# KiCad board SuS.kicad_pcb
title: sus; company: stonedDiscord
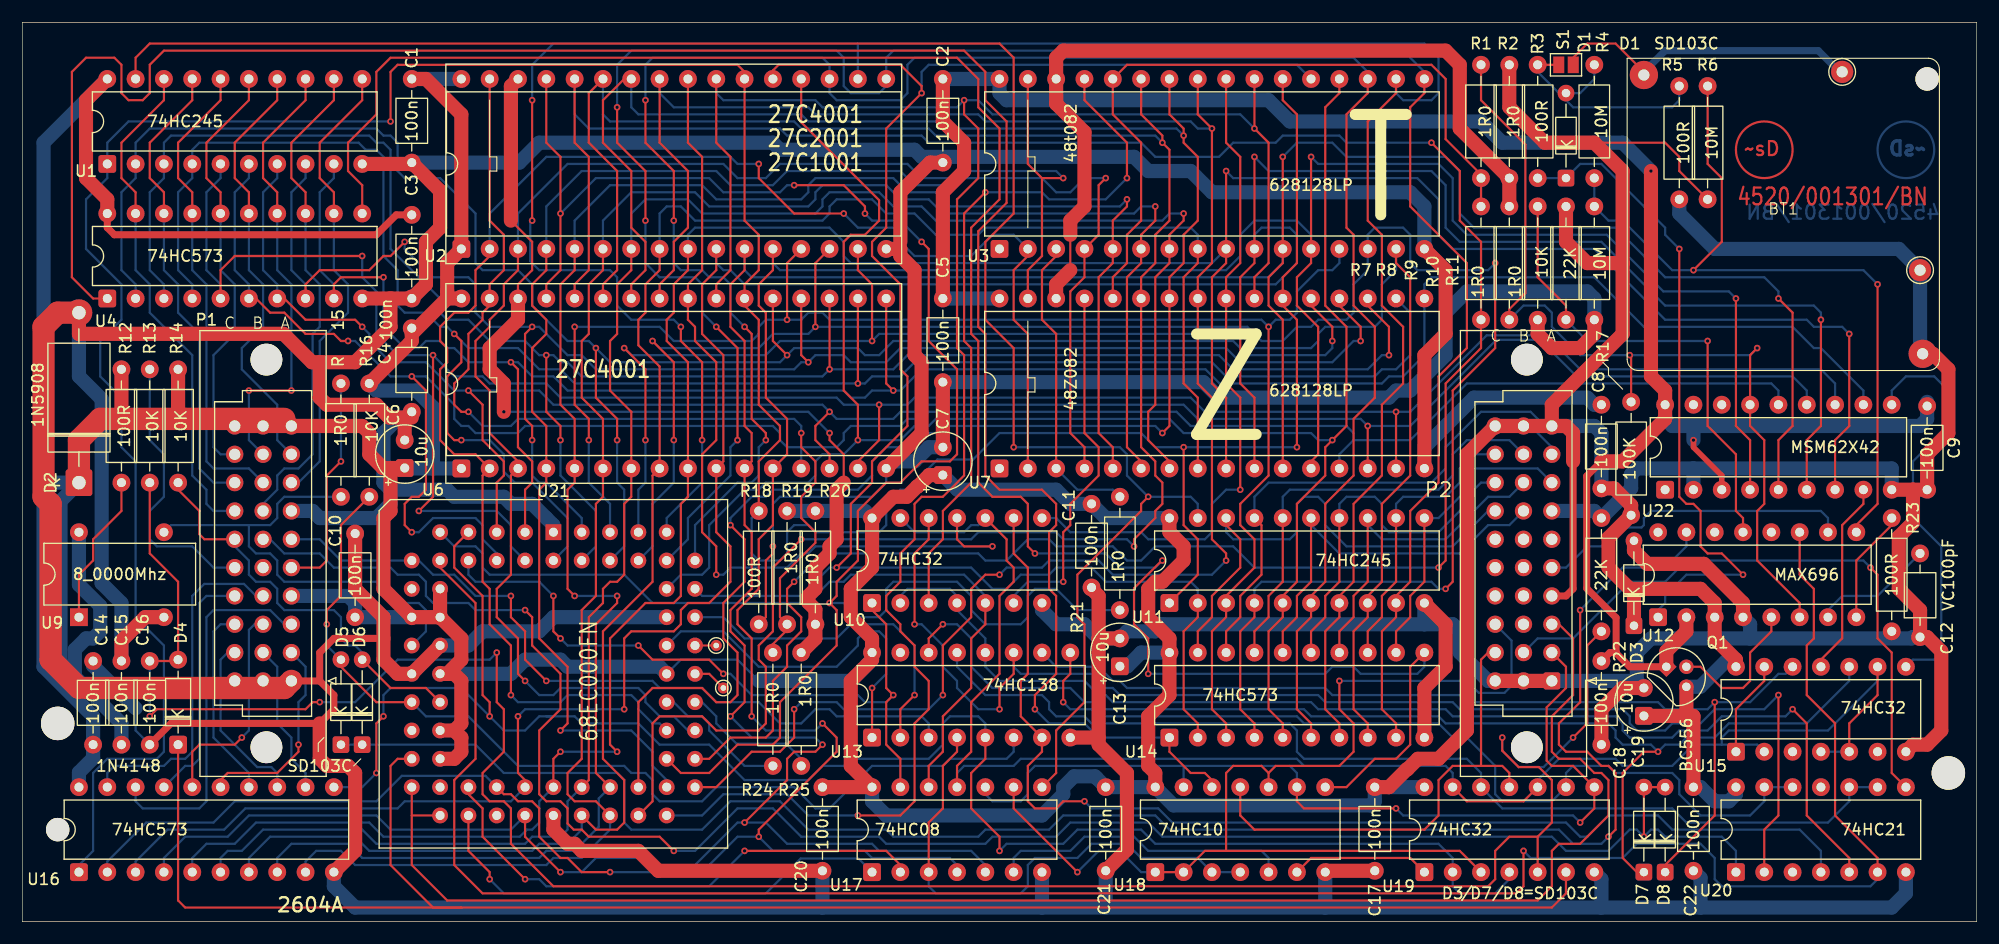
[diagram p0: board, top side]
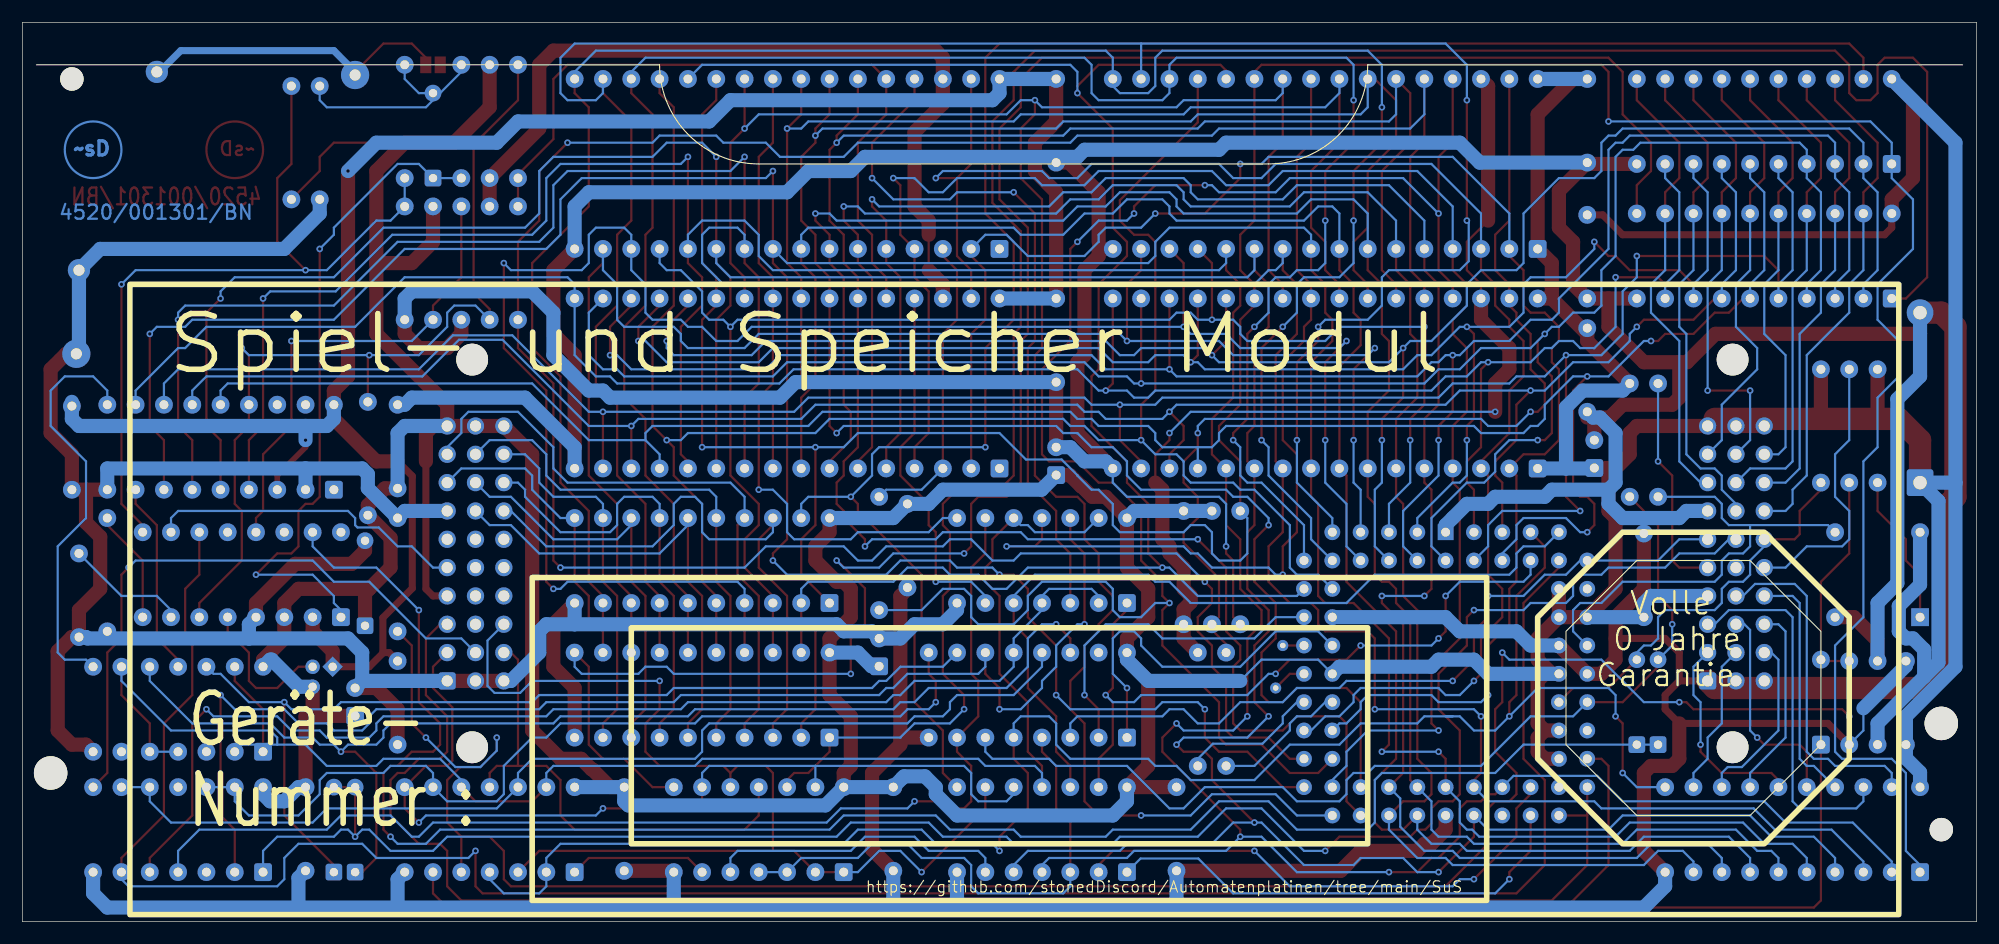
[diagram p1: board, bottom side, seen from below]

Outline 175.26 x 80.64 mm; copper layers: Top, Bottom. Coordinates in mm from the lower left corner of the outline.
Outline path: rectangle 0,80.64 175.26,0
Stack: Top 0.035mm / dielectric 1.51mm FR4 er 4.5 / Bottom 0.035mm

## Placement (name value [footprint] x y rotation side)
BT1  Battery  [REPM1000]  157.92 63.42 0 top
C1  100n  [C_Axial_L3.8mm_D2.6mm_P7.50mm_Horizontal]  34.92 75.56 270 top
C2  100n  [C_Axial_L3.8mm_D2.6mm_P7.50mm_Horizontal]  82.55 75.56 270 top
C3  100n  [C_Axial_L3.8mm_D2.6mm_P7.50mm_Horizontal]  34.92 63.38 270 top
C4  100n  [C_Axial_L3.8mm_D2.6mm_P7.50mm_Horizontal]  34.92 53.22 270 top
C5  100n  [C_Axial_L3.8mm_D2.6mm_P7.50mm_Horizontal]  82.55 55.88 270 top
C6  10u  [CP_Radial_Tantal_D5.0mm_P2.50mm]  34.29 40.68 90 top
C7  10u  [CP_Radial_Tantal_D5.0mm_P2.50mm]  82.55 40.05 90 top
C8  100n  [C_Axial_L3.8mm_D2.6mm_P7.50mm_Horizontal]  141.61 38.86 90 top
C9  100n  [C_Axial_L3.8mm_D2.6mm_P7.50mm_Horizontal]  170.81 46.23 270 top
C10  100n  [C_Axial_L3.8mm_D2.6mm_P7.50mm_Horizontal]  29.84 27.31 90 top
C11  100n  [C_Axial_L3.8mm_D2.6mm_P7.50mm_Horizontal]  95.89 37.47 270 top
C12  VC100pF  [C_Axial_L3.8mm_D2.6mm_P7.50mm_Horizontal]  170.18 33.02 270 top
C13  10u  [CP_Radial_Tantal_D5.0mm_P2.50mm]  98.42 22.9 90 top
C14  100n  [C_Axial_L3.8mm_D2.6mm_P7.50mm_Horizontal]  6.35 15.88 90 top
C15  100n  [C_Axial_L3.8mm_D2.6mm_P7.50mm_Horizontal]  8.89 15.88 90 top
C16  100n  [C_Axial_L3.8mm_D2.6mm_P7.50mm_Horizontal]  11.43 15.88 90 top
C17  100n  [C_Axial_L3.8mm_D2.6mm_P7.50mm_Horizontal]  121.29 12.06 270 top
C18  100n  [C_Axial_L3.8mm_D2.6mm_P7.50mm_Horizontal]  141.61 15.88 90 top
C19  10u  [CP_Radial_Tantal_D5.0mm_P2.50mm]  145.42 18.46 90 top
C20  100n  [C_Axial_L3.8mm_D2.6mm_P7.50mm_Horizontal]  71.75 12.06 270 top
C21  100n  [C_Axial_L3.8mm_D2.6mm_P7.50mm_Horizontal]  97.15 12.06 270 top
C22  100n  [C_Axial_L3.8mm_D2.6mm_P7.50mm_Horizontal]  149.86 12.06 270 top
D1  SD103C  [D_DO-34_SOD68_P7.62mm_Horizontal]  138.43 66.67 90 top
D2  1N5908  [D_DO-27_P15.24mm_Horizontal]  5.08 39.37 90 top
D3  SD103C  [D_DO-34_SOD68_P7.62mm_Horizontal]  144.53 26.54 90 top
D4  1N4148  [D_DO-35_SOD27_P7.62mm_Horizontal]  13.97 15.88 90 top
D5  SD103C  [D_DO-34_SOD68_P7.62mm_Horizontal]  28.58 15.88 90 top
D6  SD103C  [D_DO-34_SOD68_P7.62mm_Horizontal]  30.48 15.88 90 top
D7  SD103C  [D_DO-34_SOD68_P7.62mm_Horizontal]  145.42 4.44 90 top  (not fitted)
D8  SD103C  [D_DO-34_SOD68_P7.62mm_Horizontal]  147.32 4.44 90 top  (not fitted)
H1  MountingHole  [MountingHole_3mm]  3.17 17.78 0 top
H2  MountingHole  [MountingHole_3mm]  172.72 13.34 0 top
H3  MountingHole  [MountingHole_2.1mm]  3.17 8.25 0 top
H4  MountingHole  [MountingHole_2.1mm]  170.81 75.56 0 top
P1  DIN41612_03x10_ABC  [DIN41612_R3_3x10_Male_Vertical_THT]  24.13 21.59 180 top
P2  DIN41612_03x10_ABC  [DIN41612_R3_3x10_Male_Vertical_THT]  137.16 21.59 180 top
Q1  BC556  [TO-92]  147.43 22.86 315 top
R1  1R0  [R_Axial_DIN0207_L6.3mm_D2.5mm_P10.16mm_Horizontal]  130.81 66.67 90 top
R2  1R0  [R_Axial_DIN0207_L6.3mm_D2.5mm_P10.16mm_Horizontal]  133.35 66.67 90 top
R3  100R  [R_Axial_DIN0207_L6.3mm_D2.5mm_P10.16mm_Horizontal]  135.89 66.67 90 top
R4  10M  [R_Axial_DIN0207_L6.3mm_D2.5mm_P10.16mm_Horizontal]  140.97 66.67 90 top
R5  100R  [R_Axial_DIN0207_L6.3mm_D2.5mm_P10.16mm_Horizontal]  148.59 64.77 90 top
R6  10M  [R_Axial_DIN0207_L6.3mm_D2.5mm_P10.16mm_Horizontal]  151.13 64.77 90 top
R7  1R0  [R_Axial_DIN0207_L6.3mm_D2.5mm_P10.16mm_Horizontal]  130.81 53.98 90 top  (not fitted)
R8  1R0  [R_Axial_DIN0207_L6.3mm_D2.5mm_P10.16mm_Horizontal]  133.35 53.98 90 top  (not fitted)
R9  10K  [R_Axial_DIN0207_L6.3mm_D2.5mm_P10.16mm_Horizontal]  135.89 53.98 90 top  (not fitted)
R10  22K  [R_Axial_DIN0207_L6.3mm_D2.5mm_P10.16mm_Horizontal]  138.43 53.98 90 top
R11  10M  [R_Axial_DIN0207_L6.3mm_D2.5mm_P10.16mm_Horizontal]  140.97 53.98 90 top
R12  100R  [R_Axial_DIN0207_L6.3mm_D2.5mm_P10.16mm_Horizontal]  8.89 39.37 90 top
R13  10K  [R_Axial_DIN0207_L6.3mm_D2.5mm_P10.16mm_Horizontal]  11.43 39.37 90 top
R14  10K  [R_Axial_DIN0207_L6.3mm_D2.5mm_P10.16mm_Horizontal]  13.97 39.37 90 top
R15  1R0  [R_Axial_DIN0207_L6.3mm_D2.5mm_P10.16mm_Horizontal]  28.58 38.1 90 top
R16  10K  [R_Axial_DIN0207_L6.3mm_D2.5mm_P10.16mm_Horizontal]  31.11 38.1 90 top
R17  100K  [R_Axial_DIN0207_L6.3mm_D2.5mm_P10.16mm_Horizontal]  144.27 36.45 90 top
R18  100R  [R_Axial_DIN0207_L6.3mm_D2.5mm_P10.16mm_Horizontal]  66.04 26.67 90 top
R19  1R0  [R_Axial_DIN0207_L6.3mm_D2.5mm_P10.16mm_Horizontal]  68.58 26.67 90 top
R20  1R0  [R_Axial_DIN0207_L6.3mm_D2.5mm_P10.16mm_Horizontal]  71.12 26.67 90 top  (not fitted)
R21  1R0  [R_Axial_DIN0207_L6.3mm_D2.5mm_P10.16mm_Horizontal]  98.42 27.94 90 top  (not fitted)
R22  22K  [R_Axial_DIN0207_L6.3mm_D2.5mm_P10.16mm_Horizontal]  141.61 26.03 90 top
R23  100R  [R_Axial_DIN0207_L6.3mm_D2.5mm_P10.16mm_Horizontal]  167.64 26.03 90 top
R24  1R0  [R_Axial_DIN0207_L6.3mm_D2.5mm_P10.16mm_Horizontal]  67.31 13.97 90 top  (not fitted)
R25  1R0  [R_Axial_DIN0207_L6.3mm_D2.5mm_P10.16mm_Horizontal]  69.85 13.97 90 top  (not fitted)
S1  Batterie  [SolderJumper-2_P1.3mm_Open_Pad1.0x1.5mm]  138.43 76.84 0 top
TP1  TestPoint  [TestPoint_THTPad_D1.0mm_Drill0.5mm]  62.86 20.95 0 top
TP2  TestPoint  [TestPoint_THTPad_D1.0mm_Drill0.5mm]  62.23 24.77 0 top
TP3  TestPoint  [TestPoint_THTPad_D2.0mm_Drill1.0mm]  163.19 76.2 0 top
TP4  TestPoint  [TestPoint_THTPad_D2.0mm_Drill1.0mm]  170.18 58.42 0 top
U1  74HC245  [DIP-20_W7.62mm]  7.62 67.95 90 top
U2  27C4001  [DIP-32_W15.24mm_Socket]  39.37 60.33 90 top
U3  628128LP  [DIP-32_W15.24mm]  87.63 60.33 90 top
U4  74HC573  [DIP-20_W7.62mm]  7.62 55.88 90 top
U6  27C4001  [DIP-32_W15.24mm_Socket]  39.37 40.64 90 top
U7  628128LP  [DIP-32_W15.24mm]  87.63 40.64 90 top
U9  8_0000Mhz  [Oscillator_SeikoEpson_SG-8002DC]  5.08 27.31 90 top
U10  74HC32  [DIP-14_W7.62mm]  76.2 28.58 90 top
U11  74HC245  [DIP-20_W7.62mm]  102.87 28.58 90 top
U12  MAX696  [DIP-16_W7.62mm]  146.69 27.31 90 top
U13  74HC138  [DIP-16_W7.62mm]  76.2 16.51 90 top
U14  74HC573  [DIP-20_W7.62mm]  102.87 16.51 90 top
U15  74HC32  [DIP-14_W7.62mm]  153.67 15.24 90 top  (not fitted)
U16  74HC573  [DIP-20_W7.62mm]  5.08 4.44 90 top
U17  74HC08  [DIP-14_W7.62mm]  76.2 4.44 90 top
U18  74HC10  [DIP-14_W7.62mm]  101.6 4.44 90 top
U19  74HC32  [DIP-14_W7.62mm]  125.73 4.44 90 top
U20  74HC21  [DIP-14_W7.62mm]  153.67 4.44 90 top
U21  68EC000FN  [PLCC-68_THT-Socket]  47.62 34.92 0 top
U22  MSM62X42  [DIP-18_W7.62mm]  147.32 38.73 90 top  (not fitted)

## Library data of the parts
BT1 = -: Description: Multiple-cell battery; Sim.Device: V; Sim.Type: DC; Sim.Pins: 1=+ 2=-
C1-C5 C8-C12 C14-C18 C20-C22 = -: Description: Unpolarized capacitor; KiLib_Generator: capacitor/THT/other; ki_fp_filters: C_*
C6 C7 C13 C19 = -: Description: Polarized capacitor; KiLib_Generator: capacitor/THT/other; ki_fp_filters: CP_*
D1 D3 D5-D8 = -: Description: Schottky diode; KiLib_Generator: diode/THT; ki_fp_filters: TO-???* *_Diode_* *SingleDiode* D_*
D2 = -: Description: Diode; KiLib_Generator: diode/THT; Sim.Device: D; Sim.Pins: 1=K 2=A; ki_fp_filters: TO-???* *_Diode_* *SingleDiode* D_*
D4 = -: Datasheet: https://assets.nexperia.com/documents/data-sheet/1N4148_1N4448.pdf; Description: 100V 0.15A standard switching diode, DO-35; KiLib_Generator: diode/THT; Sim.Device: D; Sim.Pins: 1=K 2=A; ki_fp_filters: D*DO?35*
H1-H4 = -: Description: Mounting Hole without connection; KiLib_Generator: mounting_hardware/mounting_hole; ki_fp_filters: MountingHole*
P1 P2 = -: Description: DIN41612 connector, triple row (ABC), 03x10; KiLib_Generator: connector/IEC_DIN; ki_fp_filters: DIN41612*3x*
Q1 = -: Datasheet: https://www.onsemi.com/pub/Collateral/BC556BTA-D.pdf; Description: 0.1A Ic, 65V Vce, PNP Small Signal Transistor, TO-92; Sim.Device: PNP; Sim.Pins: 1=C 2=B 3=E; ki_fp_filters: TO?92*
R1-R25 = -: Description: Resistor; KiLib_Generator: resistor/THT; ki_fp_filters: R_*
S1 = -: Description: Solder Jumper, 2-pole, open; ki_fp_filters: SolderJumper*Open*
TP1-TP4 = -: Description: test point; ki_fp_filters: Pin* Test*
U1 U11 = -: Datasheet: http://www.ti.com/lit/gpn/sn74HC245; Description: Octal BUS Transceivers, 3-State outputs; KiLib_Generator: package/DIP/legacy; ki_fp_filters: DIP?20*
U2 U6 = -: Datasheet: http://ww1.microchip.com/downloads/en/devicedoc/doc0189.pdf; Description: OTP EPROM 4 MiBit (512 Ki x 8); KiLib_Generator: package/DIP/legacy; ki_fp_filters: DIP*W15.24mm* PLCC*
U3 U7 = -: Datasheet: https://www.silicon-ark.co.uk/datasheets/hm628128-datasheet-hitachi.pdf; Description: 128K-word x 8-bit High-Speed CMOS Static RAM, 70/85/100/120ns, 5V supply, DIP-32/SOP-32; KiLib_Generator: package/DIP/legacy; ki_fp_filters: *DIP*W15.24mm* *SOP*11.*20.*P1.27mm*
U4 U14 U16 = -: Datasheet: 74xx/74hc573.pdf; Description: 8-bit Latch 3-state outputs; KiLib_Generator: package/DIP/legacy; ki_fp_filters: DIP?20*
U9 = -: Datasheet: https://support.epson.biz/td/api/doc_check.php?mode=dl&lang=en&Parts=SG-51P; Description: CMOS Crystal Clock Oscillator, DIP8-style plastic package; ki_fp_filters: Oscillator*SeikoEpson*SG?8002DC*
U10 U15 U19 = -: Datasheet: http://www.ti.com/lit/gpn/sn74LS32; Description: Quad 2-input OR; KiLib_Generator: package/DIP/legacy; ki_fp_filters: DIP?14*
U12 = -: Datasheet: https://datasheets.maximintegrated.com/en/ds/MAX690-MAX695.pdf; Description: Microprocessor Supervisory Circuit, DIP-16; KiLib_Generator: package/DIP/legacy; ki_fp_filters: DIP*W7.62mm*
U13 = -: Datasheet: http://www.ti.com/lit/ds/symlink/cd74hc238.pdf; Description: 3-to-8 line decoder/multiplexer inverting, DIP-16/SOIC-16/SSOP-16; KiLib_Generator: package/DIP/legacy; ki_fp_filters: DIP*W7.62mm* SOIC*3.9x9.9mm*P1.27mm* SSOP*5.3x6.2mm*P0.65mm*
U17 = -: Datasheet: http://www.ti.com/lit/gpn/sn74LS08; Description: Quad And2; KiLib_Generator: package/DIP/legacy; ki_fp_filters: DIP*W7.62mm*
U18 = -: Datasheet: http://www.ti.com/lit/gpn/sn74LS10; Description: Triple 3-input NAND; KiLib_Generator: package/DIP/legacy; ki_fp_filters: DIP*W7.62mm*
U20 = -: Datasheet: http://www.ti.com/lit/gpn/sn74LS21; Description: Dual 4-input AND; KiLib_Generator: package/DIP/legacy; ki_fp_filters: DIP?14*
U21 = -: Datasheet: https://www.nxp.com/docs/en/reference-manual/MC68000UM.pdf; Description: 16/32-bit microprocessor, 16-bit external data bus, 23-bit external address bus (effectively 24-bit), PLCC-68 (case 779-01); ki_fp_filters: *PLCC*24.2*x24.2*P1.27mm*
U22 = -: KiLib_Generator: package/DIP/legacy

## Footprints (pads in the part's own frame, mm; a bottom-side part is the same pattern mirrored in y, then rotated)
C_Axial_L3.8mm_D2.6mm_P7.50mm_Horizontal
  round 1.6 hole 0.8: 1(0,0) 2(7.5,0)
CP_Radial_Tantal_D5.0mm_P2.50mm
  rrect 1.6x1.6 hole 0.8: 1(0,0)
  round 1.6 hole 0.8: 2(2.5,0)
D_DO-27_P15.24mm_Horizontal
  rrect 2.4x2.4 hole 1.2: 1(0,0)
  round 2.4 hole 1.2: 2(15.24,0)
D_DO-34_SOD68_P7.62mm_Horizontal
  rrect 1.5x1.5 hole 0.75: 1(0,0)
  round 1.5 hole 0.75: 2(7.62,0)
D_DO-35_SOD27_P7.62mm_Horizontal
  rrect 1.6x1.6 hole 0.8: 1(0,0)
  round 1.6 hole 0.8: 2(7.62,0)
DIN41612_R3_3x10_Male_Vertical_THT
  round 2.85 hole 2.85 unplated: (2.24,5.95) (2.24,-28.81)
  rrect 1.55x1.55 hole 1: a1(0,0)
  round 1.55 hole 1: a2(0,-2.54) a3(0,-5.08) a4(0,-7.62) a5(0,-10.16) a6(0,-12.7) a7(0,-15.24) a8(0,-17.78) a9(0,-20.32) a10(0,-22.86) b1(2.54,0) b2(2.54,-2.54) b3(2.54,-5.08) b4(2.54,-7.62) b5(2.54,-10.16) b6(2.54,-12.7) b7(2.54,-15.24) b8(2.54,-17.78) b9(2.54,-20.32) b10(2.54,-22.86) c1(5.08,0) c2(5.08,-2.54) c3(5.08,-5.08) c4(5.08,-7.62) c5(5.08,-10.16) c6(5.08,-12.7) c7(5.08,-15.24) c8(5.08,-17.78) c9(5.08,-20.32) c10(5.08,-22.86)
DIP-14_W7.62mm
  rrect 1.6x1.6 hole 0.8: 1(0,0)
  round 1.6 hole 0.8: 2(0,-2.54) 3(0,-5.08) 4(0,-7.62) 5(0,-10.16) 6(0,-12.7) 7(0,-15.24) 8(7.62,-15.24) 9(7.62,-12.7) 10(7.62,-10.16) 11(7.62,-7.62) 12(7.62,-5.08) 13(7.62,-2.54) 14(7.62,0)
DIP-16_W7.62mm
  rrect 1.6x1.6 hole 0.8: 1(0,0)
  round 1.6 hole 0.8: 2(0,-2.54) 3(0,-5.08) 4(0,-7.62) 5(0,-10.16) 6(0,-12.7) 7(0,-15.24) 8(0,-17.78) 9(7.62,-17.78) 10(7.62,-15.24) 11(7.62,-12.7) 12(7.62,-10.16) 13(7.62,-7.62) 14(7.62,-5.08) 15(7.62,-2.54) 16(7.62,0)
DIP-18_W7.62mm
  rrect 1.6x1.6 hole 0.8: 1(0,0)
  round 1.6 hole 0.8: 2(0,-2.54) 3(0,-5.08) 4(0,-7.62) 5(0,-10.16) 6(0,-12.7) 7(0,-15.24) 8(0,-17.78) 9(0,-20.32) 10(7.62,-20.32) 11(7.62,-17.78) 12(7.62,-15.24) 13(7.62,-12.7) 14(7.62,-10.16) 15(7.62,-7.62) 16(7.62,-5.08) 17(7.62,-2.54) 18(7.62,0)
DIP-20_W7.62mm
  rrect 1.6x1.6 hole 0.8: 1(0,0)
  round 1.6 hole 0.8: 2(0,-2.54) 3(0,-5.08) 4(0,-7.62) 5(0,-10.16) 6(0,-12.7) 7(0,-15.24) 8(0,-17.78) 9(0,-20.32) 10(0,-22.86) 11(7.62,-22.86) 12(7.62,-20.32) 13(7.62,-17.78) 14(7.62,-15.24) 15(7.62,-12.7) 16(7.62,-10.16) 17(7.62,-7.62) 18(7.62,-5.08) 19(7.62,-2.54) 20(7.62,0)
DIP-32_W15.24mm
  rrect 1.6x1.6 hole 0.8: 1(0,0)
  round 1.6 hole 0.8: 2(0,-2.54) 3(0,-5.08) 4(0,-7.62) 5(0,-10.16) 6(0,-12.7) 7(0,-15.24) 8(0,-17.78) 9(0,-20.32) 10(0,-22.86) 11(0,-25.4) 12(0,-27.94) 13(0,-30.48) 14(0,-33.02) 15(0,-35.56) 16(0,-38.1) 17(15.24,-38.1) 18(15.24,-35.56) 19(15.24,-33.02) 20(15.24,-30.48) 21(15.24,-27.94) 22(15.24,-25.4) 23(15.24,-22.86) 24(15.24,-20.32) 25(15.24,-17.78) 26(15.24,-15.24) 27(15.24,-12.7) 28(15.24,-10.16) 29(15.24,-7.62) 30(15.24,-5.08) 31(15.24,-2.54) 32(15.24,0)
DIP-32_W15.24mm_Socket
  rrect 1.6x1.6 hole 0.8: 1(0,0)
  round 1.6 hole 0.8: 2(0,-2.54) 3(0,-5.08) 4(0,-7.62) 5(0,-10.16) 6(0,-12.7) 7(0,-15.24) 8(0,-17.78) 9(0,-20.32) 10(0,-22.86) 11(0,-25.4) 12(0,-27.94) 13(0,-30.48) 14(0,-33.02) 15(0,-35.56) 16(0,-38.1) 17(15.24,-38.1) 18(15.24,-35.56) 19(15.24,-33.02) 20(15.24,-30.48) 21(15.24,-27.94) 22(15.24,-25.4) 23(15.24,-22.86) 24(15.24,-20.32) 25(15.24,-17.78) 26(15.24,-15.24) 27(15.24,-12.7) 28(15.24,-10.16) 29(15.24,-7.62) 30(15.24,-5.08) 31(15.24,-2.54) 32(15.24,0)
MountingHole_2.1mm
  round 2.1 hole 2.1 unplated: (0,0)
MountingHole_3mm
  round 3 hole 3 unplated: (0,0)
Oscillator_SeikoEpson_SG-8002DC
  rect 1.6x1.6 hole 0.8: 1(0,0)
  oval 1.6x1.6 hole 0.8: 4(0,-7.62) 5(7.62,-7.62) 8(7.62,0)
PLCC-68_THT-Socket
  rect 1.422x1.422 hole 0.8: 1(0,0)
  round 1.422 hole 0.8: 2(0,-2.54) 3(-2.54,0) 4(-2.54,-2.54) 5(-5.08,0) 6(-5.08,-2.54) 7(-7.62,0) 8(-7.62,-2.54) 9(-10.16,0) 10(-12.7,-2.54) 11(-10.16,-2.54) 12(-12.7,-5.08) 13(-10.16,-5.08) 14(-12.7,-7.62) 15(-10.16,-7.62) 16(-12.7,-10.16) 17(-10.16,-10.16) 18(-12.7,-12.7) 19(-10.16,-12.7) 20(-12.7,-15.24) 21(-10.16,-15.24) 22(-12.7,-17.78) 23(-10.16,-17.78) 24(-12.7,-20.32) 25(-10.16,-20.32) 26(-12.7,-22.86) 27(-10.16,-25.4) 28(-10.16,-22.86) 29(-7.62,-25.4) 30(-7.62,-22.86) 31(-5.08,-25.4) 32(-5.08,-22.86) 33(-2.54,-25.4) 34(-2.54,-22.86) 35(0,-25.4) 36(0,-22.86) 37(2.54,-25.4) 38(2.54,-22.86) 39(5.08,-25.4) 40(5.08,-22.86) 41(7.62,-25.4) 42(7.62,-22.86) 43(10.16,-25.4) 44(12.7,-22.86) 45(10.16,-22.86) 46(12.7,-20.32) 47(10.16,-20.32) 48(12.7,-17.78) 49(10.16,-17.78) 50(12.7,-15.24) 51(10.16,-15.24) 52(12.7,-12.7) 53(10.16,-12.7) 54(12.7,-10.16) 55(10.16,-10.16) 56(12.7,-7.62) 57(10.16,-7.62) 58(12.7,-5.08) 59(10.16,-5.08) 60(12.7,-2.54) 61(10.16,0) 62(10.16,-2.54) 63(7.62,0) 64(7.62,-2.54) 65(5.08,0) 66(5.08,-2.54) 67(2.54,0) 68(2.54,-2.54)
R_Axial_DIN0207_L6.3mm_D2.5mm_P10.16mm_Horizontal
  round 1.6 hole 0.8: 1(0,0) 2(10.16,0)
REPM1000
  round 2.54 hole 1: 1(-12.5,12.5) 2(12.5,-12.5)
SolderJumper-2_P1.3mm_Open_Pad1.0x1.5mm
  rect 1x1.5 smd: 1(-0.65,0) 2(0.65,0)
TestPoint_THTPad_D1.0mm_Drill0.5mm
  round 1 hole 0.5: 1(0,0)
TestPoint_THTPad_D2.0mm_Drill1.0mm
  round 2 hole 1: 1(0,0)
TO-92
  rect 1.3x1.3 hole 0.75: 1(0,0)
  round 1.3 hole 0.75: 2(1.27,1.27) 3(2.54,0)

## Nets
GND: BT1.2 C1.2 C2.2 C3.2 C4.2 C5.2 C6.2 C7.2 C8.2 C9.2 C10.2 C11.2 C12.2 C13.2 C14.2 C15.2 C16.1 C17.2 C18.1 C19.2 C20.2 C21.2 C22.2 D2.2 D3.2 P1.a1 P1.a7 P1.b1 P1.c1 P2.a1 P2.a7 P2.b1 P2.c1 R5.1 R9.1 R11.1 R18.1 R22.2 R23.1 TP4.1 U1.10 U2.16 U3.16 U4.10 U6.16 U7.16 U9.4 U10.7 U11.10 U12.4 U13.8 U14.10 U15.7 U16.10 U17.7 U18.7 U19.7 U20.7 U21.1 U21.17 U21.18 U21.35 U21.57 U22.2 U22.9
VCC: C1.1 C3.1 C4.1 C6.1 C7.1 C8.1 C10.1 C11.1 C13.1 C14.1 C15.1 C17.1 C19.1 C20.1 C21.1 C22.1 D2.1 D3.1 P1.a4 P1.a10 P1.b10 P1.c10 P2.a4 P2.a10 P2.b10 P2.c10 Q1.3 R2.2 R6.1 R10.2 R12.2 R14.2 R16.2 R17.1 R19.2 R20.2 U1.20 U2.1 U2.32 U4.20 U6.1 U6.32 U9.8 U10.14 U11.20 U12.3 U13.16 U14.20 U15.14 U16.20 U17.14 U18.14 U19.14 U20.14 U21.13 U21.14 U21.15 U21.19 U21.23 U21.25 U21.53
VCCQ: R2.1 R8.2 U3.30 U7.30
VDD: C2.1 C5.1 C9.1 C18.2 Q1.1 U3.32 U7.32 U12.2 U22.3 U22.18
+BATT: BT1.1 S1.2 TP3.1
/A20: TP1.1 U21.52
/A21: TP2.1 U21.54
/BOOTMODE: P2.b6
/DB_RX: P2.b3
/DB_TX: P2.c4
/FC0: U17.2 U21.30
/FC1: U17.1 U21.29
/LOW_LINE: R1.2 R8.1 R17.2 U12.6 U22.15
/RAM1_WE: U7.29 U10.6
/RAM2_WE: U3.29 U10.3
/RAM_A14: R1.1 R7.2 U3.28 U7.28
/RAM_A15: R21.2 U3.3 U7.3
/RAM_OE: U3.24 U7.24 U10.8
/ROM_A18: R20.1 R25.2 U2.30 U6.30
/ROM_A19: R19.1 R24.2 U2.31 U6.31
/ROM_OE: U2.24 U6.24 U10.11
/Tuerkontakt: P2.b5
A1: U2.12 U3.12 U6.12 U7.12 U16.2 U17.4 U21.32 U22.4
A2: U2.11 U3.11 U6.11 U7.11 U16.4 U17.5 U21.33 U22.5
A3: U2.10 U3.10 U6.10 U7.10 U16.3 U21.34 U22.6
A4: U2.9 U3.9 U6.9 U7.9 U16.5 U21.36 U22.7
A5: U2.8 U3.8 U6.8 U7.8 U16.7 U21.37
A6: U2.7 U3.7 U6.7 U7.7 U16.6 U21.38
A7: U2.6 U3.6 U6.6 U7.6 U16.9 U21.39
A8: U2.5 U3.5 U6.5 U7.5 U16.8 U21.40
A9: U2.27 U3.27 U6.27 U7.27 U21.41
A10: U2.26 U3.26 U6.26 U7.26 U21.42
A11: U2.23 U3.23 U6.23 U7.23 U21.43
A12: U2.25 U3.25 U6.25 U7.25 U21.44
A13: U2.4 U3.4 U6.4 U7.4 U21.45
A14: R7.1 U2.28 U6.28 U21.46
A15: R21.1 U2.29 U6.29 U21.47
A16: U2.3 U3.31 U6.3 U7.31 U21.48
A17: U2.2 U3.2 U6.2 U7.2 U21.49
A18: R25.1 U21.50
A19: R24.1 U21.51
A22: U13.1 U21.55
A23: U13.2 U21.56
ADRIO1: P1.b4 U16.19
ADRIO2: P1.c4 U16.17
ADRIO3: P1.a3 U16.18
ADRIO4: P1.b3 U16.16
ADRIO5: P1.c3 U16.14
ADRIO6: P1.a2 U16.15
ADRIO7: P1.b2 U16.12
ADRIO8: P1.c2 U16.13
AS: U13.5 U16.11 U19.2 U19.4 U21.7
BATT_OK: P2.a5 U12.10
BERR: D4.1 U19.6 U21.24
cBERR: P1.c5 R13.2
CE: R18.2 U1.1 U2.22 U3.22 U6.22 U7.22 U11.1 U16.1
CLK: R15.1 U9.5 U21.16
CLOCKOUT: P1.a5 R15.2
D0: U1.6 U4.6 U6.13 U7.13 U21.6 U22.14
D1: U1.7 U4.7 U6.14 U7.14 U21.5 U22.13
D2: U1.5 U4.5 U6.15 U7.15 U21.4 U22.12
D3: U1.9 U4.9 U6.17 U7.17 U21.3 U22.11
D4: U1.4 U4.4 U6.18 U7.18 U21.2
D5: U1.3 U4.3 U6.19 U7.19 U21.68
D6: U1.8 U4.8 U6.20 U7.20 U21.67
D7: U1.2 U4.2 U6.21 U7.21 U21.66
D8: U2.13 U3.13 U11.3 U14.3 U21.65
D9: U2.14 U3.14 U11.4 U14.4 U21.64
D10: U2.15 U3.15 U11.8 U14.8 U21.63
D11: U2.17 U3.17 U11.9 U14.9 U21.62
D12: U2.18 U3.18 U11.7 U14.7 U21.61
D13: U2.19 U3.19 U11.6 U14.6 U21.60
D14: U2.20 U3.20 U11.5 U14.5 U21.59
D15: U2.21 U3.21 U11.2 U14.2 U21.58
DBIO0: P1.a9 U1.14 U4.15
DBIO1: P1.b9 U1.13 U4.14
DBIO2: P1.c9 U1.15 U4.16
DBIO3: P1.a8 U1.11 U4.12
DBIO4: P1.b8 U1.16 U4.17
DBIO5: P1.c8 U1.17 U4.18
DBIO6: P1.b7 U1.12 U4.13
DBIO7: P1.c7 U1.18 U4.19
DBIO8: P2.a9 U11.17 U14.18
DBIO9: P2.b9 U11.16 U14.17
DBIO10: P2.c9 U11.12 U14.13
DBIO11: P2.a8 U11.11 U14.12
DBIO12: P2.b8 U11.13 U14.14
DBIO13: P2.c8 U11.14 U14.15
DBIO14: P2.b7 U11.15 U14.16
DBIO15: P2.c7 U11.18 U14.19
DTACK: U12.11 U20.6 U21.11
IO_EN: P2.b2 U20.8
IO_R: P2.a2 U17.10 U18.9 U18.13 U19.8
IO_W: P2.c2 U18.11 U19.11
IRQ: P2.a3 U21.26 U21.27
p1_b6: D7.2 D8.2 P1.b6 U20.1
p2_c3: P2.c3 U17.9 U18.1 U18.2 U18.10 U19.3
R0: U10.12 U13.11 U20.2
R1: D8.1 U13.10 U15.12
R2: U13.9 U19.9 U20.12 U20.13
R3: U10.9 U13.7 U20.4
R/~{W}: P1.a6 U13.3 U21.10
W1: D7.1 U13.14 U15.10
W2: U13.13 U19.12 U20.9 U20.10
W3: U10.2 U10.4 U13.12 U20.5
~{DATA_VALID}: U10.10 U10.13 U15.1 U15.2 U15.4 U15.5 U15.9 U15.13 U17.11 U19.10 U19.13
~{HALT}: D5.2 R16.1 U13.6 U21.20
~{LDS}: U10.5 U17.12 U21.9
~{RESET}: D6.2 P1.c6 R14.1 U21.21
~{SPACE_VALID}: U13.4 U17.3 U18.3 U18.4
~{UDS}: U10.1 U17.13 U21.8
Net-(D1-A): D1.2 R3.2 R4.2 R5.2 S1.1
Net-(D1-K): D1.1 R3.1 U12.1
Net-(D4-A): C16.2 D4.2 R13.1 R22.1 U19.5
Net-(D5-K): D5.1 D6.1 U12.15
Net-(Q1-B): Q1.2 U12.5
Net-(U1-CE): U1.19 U11.19 U17.8
Net-(U9-OE): R12.1 U9.1
Net-(U12-OSC_IN): C12.1 U12.7
Net-(U12-OSC_SEL): R23.2 U12.8
Net-(U12-PFI): R4.1 R6.2 R11.2 U12.9
Net-(U12-~{CE_IN}): R9.2 R10.1 U12.13
Net-(U14-Load): U4.11 U14.11 U18.8
Net-(U14-OE): U4.1 U14.1 U18.12
Net-(U17-Pad6): U17.6 U18.5
Net-(U18-Pad6): U18.6 U19.1
Net-(U22-~{RD}): U15.11 U22.8
Net-(U22-~{WR}): U15.8 U22.10

Pads without a net: P1 b5; P2 a6 b4 c5 c6; U3 1; U7 1; U12 12 14 16; U13 15; U15 3 6; U20 3 11; U21 12 22 28 31; U22 1 16 17

## Via types
v1: diameter 0.6, hole 0.3, Top to Bottom, 189 vias
